# Altium PCB as14120_all_4.PcbDoc (part 3 of 3)
Units mm, origin at the board's own origin, x right, y up, seen from the top; angles counter-clockwise.
Board outline 130 x 100 mm, 6 copper layers (Top Layer, GND_top, Signal_Power, Signal_midle, GND_bot, Bottom Layer), stack 1.003 mm thick; 375 components, 345 nets, 2185 pads, 1021 vias.
Unrouted connection lines stored in the file: 609.
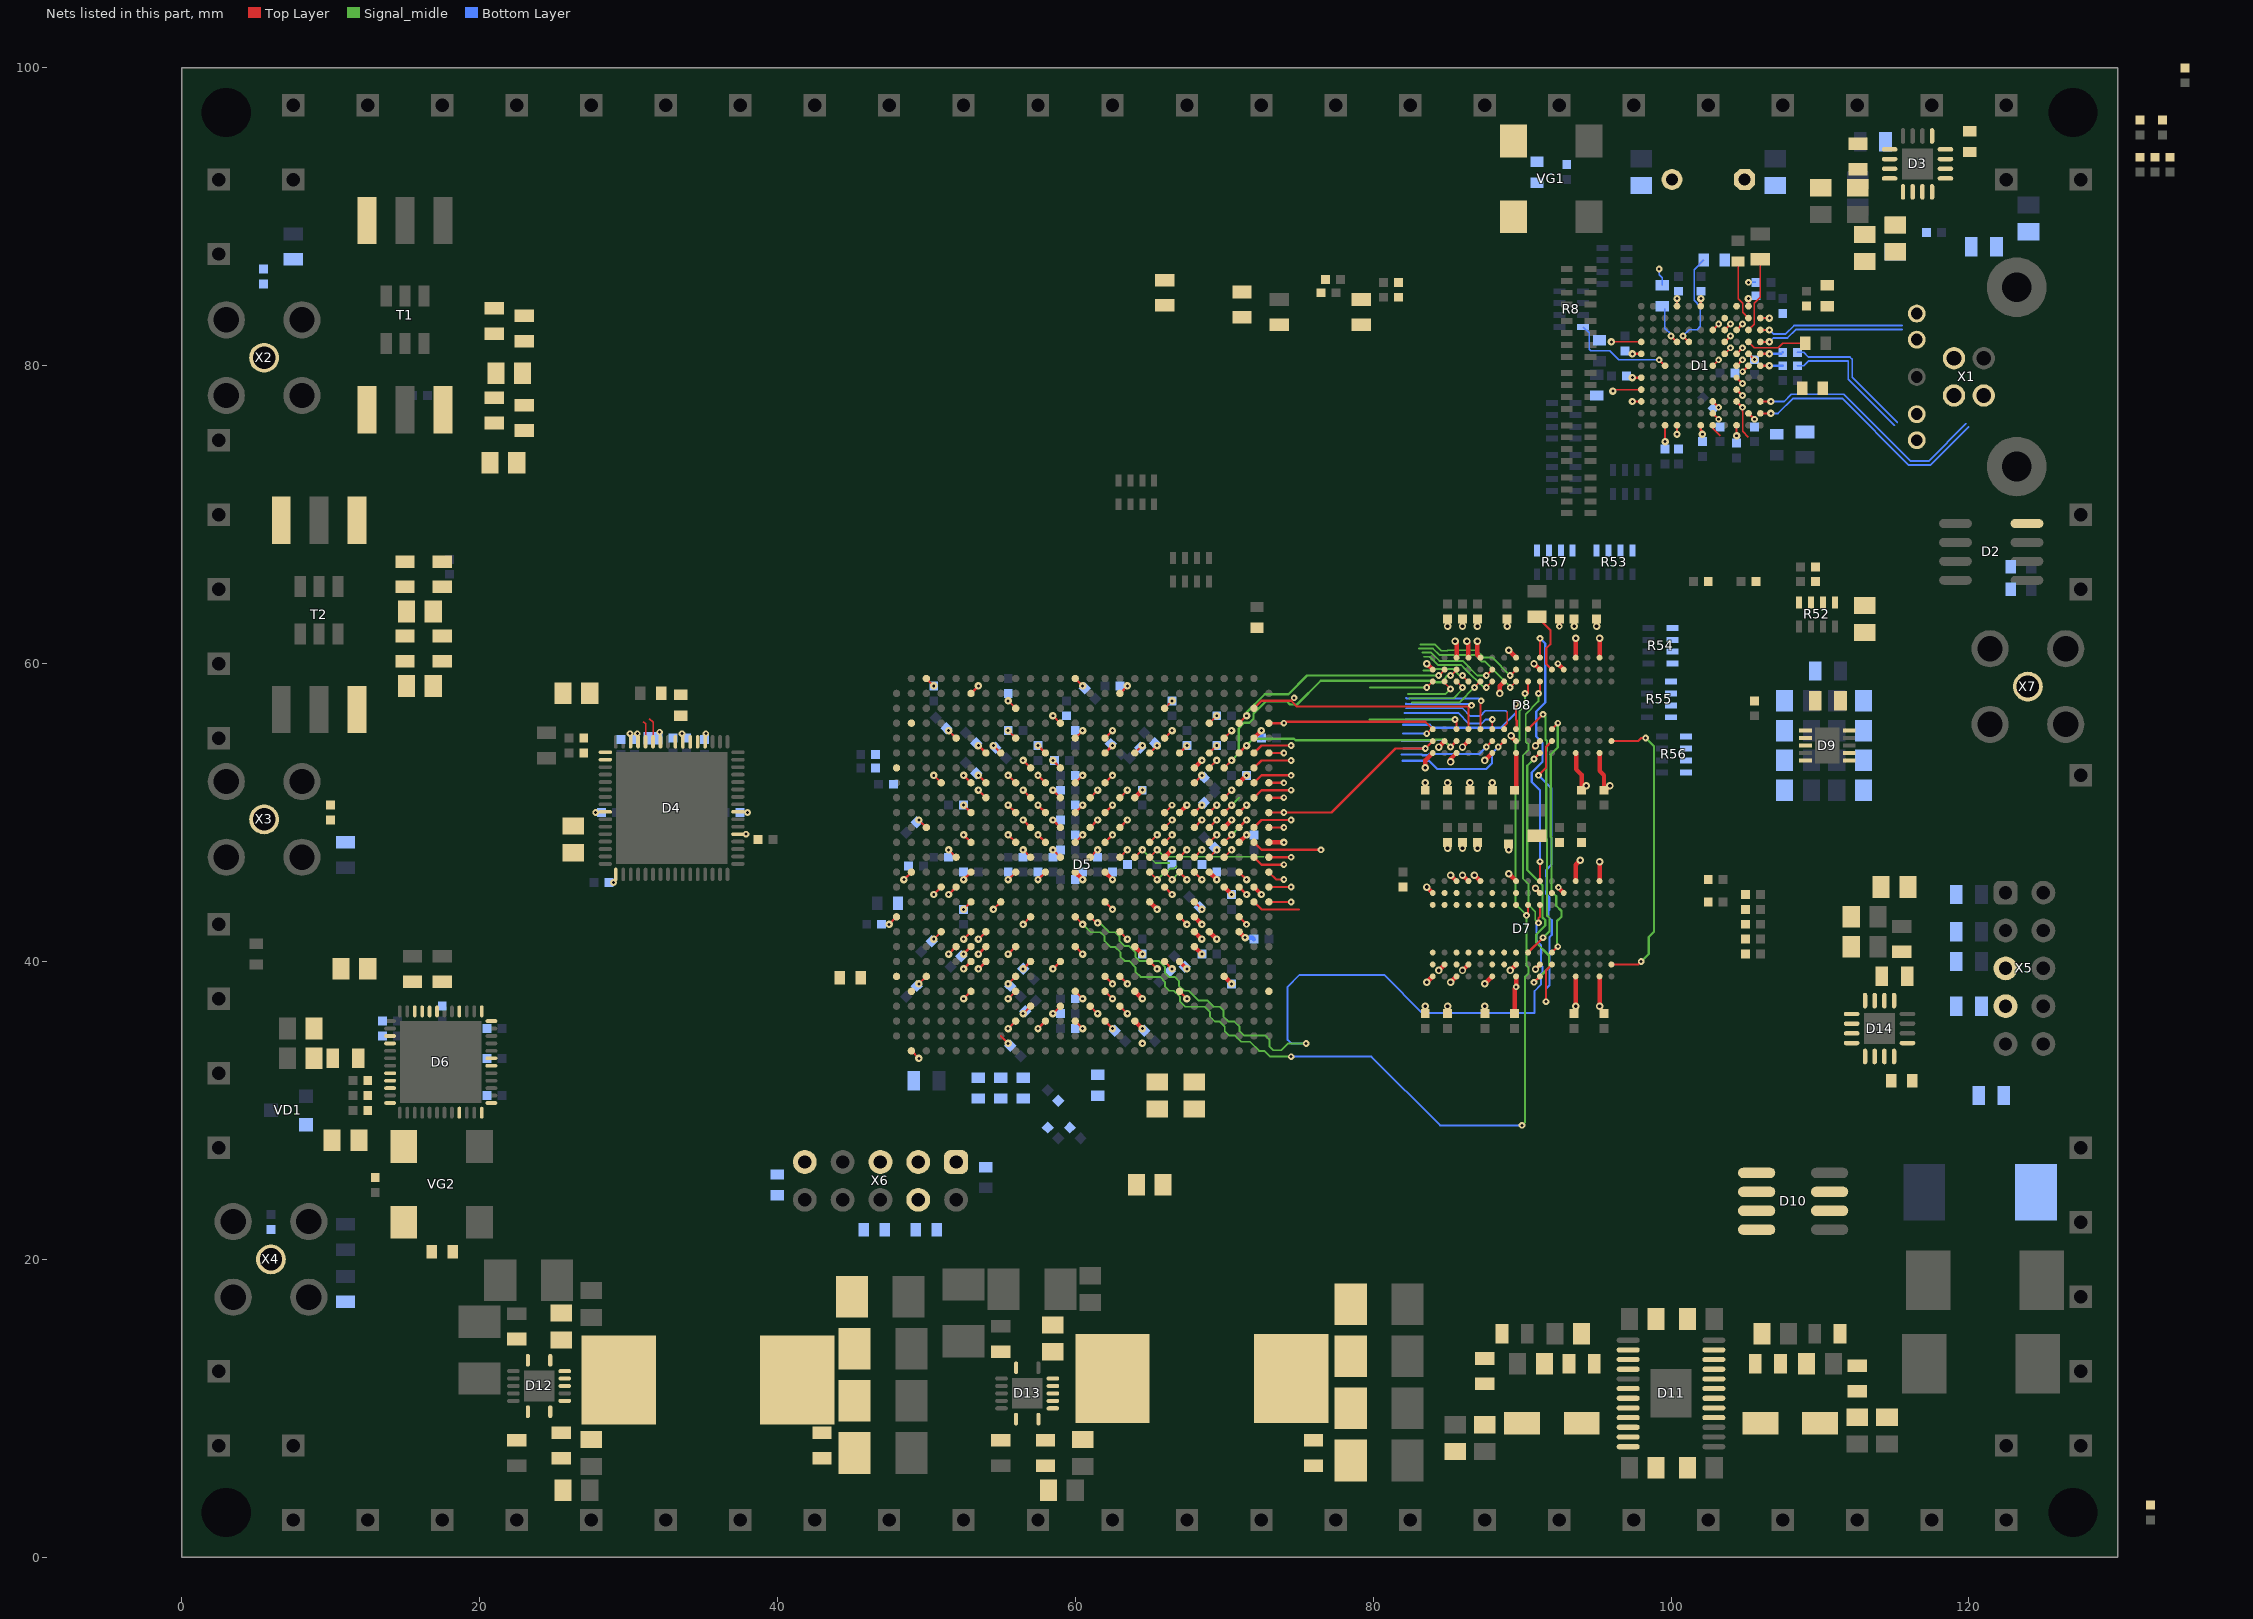
[diagram p6: the nets of this part, all layers, seen from the top]

## Via types
v1: diameter 0.5, hole 0.2, Top Layer to Bottom Layer, 691 vias
v2: diameter 0.45, hole 0.2, Top Layer to Bottom Layer, 266 vias
v3: diameter 0.5, hole 0.25, Top Layer to Bottom Layer, 64 vias

## Nets (pads, with @x,y where several pads share a name; then routed paths per layer and width w, separated by ;. In a path a pad name is that pad's centre, name@x,y a point inside that pad or via, vN(x,y) a via of type N, cw(c..) or ccw(c..) an arc to the next point about the centre after c; other vN are vias at no path point) (continued)
DDR_CK_N: D5.P10 D7.K7 D8.K7 R60.1 | length 67.9
  Top Layer w0.125: D5.P10@61,43 61.5,42.5 v1(61.5,42.6) ; v2(91.1,42.6) 91.1,42.9 91.2,43 D7.K7@91.2,43.8 ; v2(91.1,58) 91.2,58 D8.K7@91.2,58.8
  Signal_midle w0.125: v1(61.5,42.6) 61.655,42.6 62.293,41.963 62.692,41.963 62.963,41.692 62.963,41.383 63.308,41.038 63.617,41.038 64.038,40.617 64.038,40.308 64.308,40.038 65.617,40.038 66.038,39.617 66.038,39.218 66.301,38.955 66.308,38.963 66.692,38.963 66.963,38.692 66.963,38.383 67.308,38.038 67.617,38.038 68.267,37.388 68.868,37.388 69.301,36.955 69.308,36.963 69.692,36.963 69.962,36.692 69.962,36.308 69.955,36.301 70.293,35.963 70.692,35.963 71.037,35.617 71.037,35.308 71.308,35.038 72.762,35.038 73.037,34.763 73.037,34.308 73.308,34.038 73.838,34.038 74.3,34.5 v2(75.5,34.5) ; v2(91.1,42.6) 90.887,42.812 90.887,43.343 90.438,43.793 90.438,45.181 90.062,45.556 90.062,53.844 90.438,54.219 90.438,54.581 90.25,54.769 90.25,56.612 91.1,57.461 v2(91.1,58)
  Bottom Layer w0.125: v2(75.5,34.5) 74.5,34.5 74.262,34.738 74.262,38.305 75.057,39.1 80.746,39.1 83.308,36.537 90.837,36.537 90.837,38.019 91.262,38.444 91.262,39.186 91.362,39.286 91.362,39.669 91.262,39.769 91.262,41.119 90.962,41.419 90.962,42.463 v2(91.1,42.6)
DDR_CK_P: D5.N10 D7.J7 D8.J7 R98.2 | length 68.6
  Top Layer w0.125: D5.N10@60,43 v1(60.5,42.5) ; v2(90.2,58) 90.4,58 D8.J7@90.4,58.8 ; v2(90.3,43.1) 90.4,43.2 D7.J7@90.4,43.8
  Signal_midle w0.125: v1(60.5,42.5) 61.038,41.963 61.692,41.963 61.963,41.692 61.963,41.383 62.383,40.963 62.692,40.963 63.038,40.617 63.038,40.308 63.308,40.038 63.617,40.038 64.038,39.617 64.038,39.308 64.383,38.963 65.692,38.963 66.038,38.617 66.038,38.308 66.308,38.038 66.617,38.038 67.037,37.617 67.037,37.308 67.383,36.963 68.692,36.963 69.037,36.617 69.037,36.308 69.383,35.963 69.692,35.963 70.037,35.617 70.037,35.308 70.308,35.038 70.707,35.038 71.132,34.613 71.733,34.613 72.346,34 72.7,34 73.087,33.613 v2(74.5,33.613) ; v2(90,29) 90.2,29.2 90.2,38.981 90.437,39.219 90.437,39.581 90.3,39.719 v2(90.3,43.1) 89.562,43.837 89.562,54.581 89.825,54.844 89.825,56.788 90.2,57.163 v2(90.2,58)
  Bottom Layer w0.125: v2(74.5,33.613) 79.887,33.613 84.5,29 v2(90,29)
DDR_CKE: D5.AF14 D7.K9 D8.K9 R62.2 | length 20.2
  Top Layer w0.15: D5.AF14@73,47 v2(74.5,47) ; D7.K9@91.2,45.4 v2(91.2,46.7) ; D8.K9@91.2,60.4 v2(91.2,61.7)
  Bottom Layer w0.15: v2(91.2,46.7) 91.2,51.5 90.65,52.05 90.65,52.686 91.375,53.411 91.375,54.675 90.95,55.1 90.95,56.786 91.55,57.386 91.55,61.35 v2(91.2,61.7)
DDR_CS: D5.R11 D7.L2 D8.L2 | length 22.4
  Top Layer w0.15: D5.R11@62,44 v1(62.5,43.5) ; v2(91.1,52.5) 91.6,53 91.6,54.4 D8.L2@92,54.8 D8.L2@91.9,54.8 ; v2(91.6,37.3) 91.6,39.4 D7.L2@92,39.8 D7.L2@91.9,39.8
  Bottom Layer w0.15: v2(91.1,52.5) 91.975,51.625 91.975,46.5 91.65,46.175 91.619,46.144 91.619,45.708 91.65,45.676 91.65,44.749 91.619,44.718 91.619,44.531 91.818,44.332 91.818,43.455 91.75,43.386 91.75,43.014 91.997,42.766 91.997,41.79 91.85,41.643 91.85,38.425 91.6,38.175 v2(91.6,37.3)
DDR_DM0: D5.AF11 D7.E7 | length 1.5
  Top Layer w0.15: D5.AF11@73,44 v2(74.5,44)
DDR_DM1: D5.AE18 D7.D3 | length 2.7
  Top Layer w0.15: D5.AE18@72,51 72.5,51.5 v2(74.5,51.5)
DDR_DM2: D5.AE20 D8.E7 | length 7.9
  Top Layer w0.125: v2(86.8,58.4) D8.E7@87.2,58.8
  Top Layer w0.15: D5.AE20@72,53 72.5,53.5 v2(74.5,53.5)
  Signal_midle w0.125: 82.6,57.4 85.8,57.4 v2(86.8,58.4)
DDR_DM3: D5.AE24 D8.D3 | length 21.3
  Top Layer w0.15: D5.AE24@72,57 72.5,57.5 74.5,57.5 ; v2(74.7,57.7) 74.5,57.5 ; D8.D3@86.4,55.6 86.4,57 v2@86.525,57.125 ; v2(86.6,57.2) v2@86.525,57.125 ; 74.5,57.5 74.875,57.125 v2@86.525,57.125
  Bottom Layer w0.15: 82.2,57.3 82.213,57.288 86.512,57.287 v2(86.6,57.2)
DDR_DQ0: D5.AA14 D7.E3 | length 0.7
  Top Layer w0.15: D5.AA14@68,47 v1(68.5,47.5)
DDR_DQ1: D5.Y14 D7.F7 | length 0.7
  Top Layer w0.15: D5.Y14@67,47 v1(67.5,47.5)
DDR_DQ2: D5.AD11 D7.F2
DDR_DQ3: D5.AD12 D7.F8 | length 0.7
  Top Layer w0.15: D5.AD12@71,45 v1(71.5,44.5)
DDR_DQ4: D5.Y13 D7.H3 | length 0.7
  Top Layer w0.15: D5.Y13@67,46 v1(67.5,45.5)
DDR_DQ5: D5.W12 D7.H8 | length 0.7
  Top Layer w0.15: D5.W12@66,45 v1(66.5,44.5)
DDR_DQ6: D5.AD10 D7.G2 | length 0.7
  Top Layer w0.15: D5.AD10@71,43 v2(71.5,42.5)
DDR_DQ7: D5.AF12 D7.H7 | length 1.5
  Top Layer w0.15: D5.AF12@73,45 v2(74.5,45)
DDR_DQ8: D5.AC15 D7.D7 | length 1.4
  Top Layer w0.15: D5.AC15@70,48 v1(70.5,48.5)
  Signal_midle w0.15: v1(70.5,48.5) 70.975,48.975
DDR_DQ9: D5.AB15 D7.C3 | length 0.7
  Top Layer w0.15: D5.AB15@69,48 v1(69.5,48.5)
DDR_DQ10: D5.AC14 D7.C8 | length 0.7
  Top Layer w0.15: D5.AC14@70,47 v1(70.5,47.5)
DDR_DQ11: D5.AF13 D7.C2 | length 1.2
  Top Layer w0.15: D5.AF13@73,46 73.5,45.5 v2(74,45.5)
DDR_DQ12: D5.AB16 D7.A7 | length 0.7
  Top Layer w0.15: D5.AB16@69,49 v1(69.5,49.5)
DDR_DQ13: D5.AA16 D7.A2 | length 0.7
  Top Layer w0.15: D5.AA16@68,49 v1(68.5,49.5)
DDR_DQ14: D5.AE14 D7.B8 | length 2.2
  Top Layer w0.15: D5.AE14@72,47 72.5,46.5 v2(74,46.5)
DDR_DQ15: D5.AF18 D7.A3 | length 1
  Top Layer w0.15: D5.AF18@73,51 v2(74,51)
DDR_DQ16: D5.AD16 D8.E3 | length 7.8
  Top Layer w0.15: D5.AD16@71,49 v1(71.5,49.5) ; D8.E3@87.2,55.6 87.2,57.45 v2(87.25,57.5)
  Bottom Layer w0.15: 82.2,57.7 82.25,57.65 87.1,57.65 v2(87.25,57.5)
DDR_DQ17: D5.AD17 D8.F7 | length 6.3
  Top Layer w0.125: v2(87.6,58.4) D8.F7@88,58.8
  Top Layer w0.15: D5.AD17@71,50 v1(71.5,50.5)
  Signal_midle w0.125: 83.408,60.462 83.792,60.462 84.342,59.913 85.9,59.913 86.175,59.637 86.181,59.637 87.419,58.4 v2(87.6,58.4)
DDR_DQ18: D5.AC18 D8.F2 | length 7.2
  Top Layer w0.15: D5.AC18@70,51 v1(70.5,51.5) ; v2(87.6,54.4) D8.F2@88,54.8
  Bottom Layer w0.15: 81.9,53.9 83.264,53.9 83.314,53.85 83.686,53.85 83.761,53.925 87.125,53.925 v2(87.6,54.4)
DDR_DQ19: D5.AF19 D8.F8 | length 6.5
  Top Layer w0.125: v2(87.6,59.2) D8.F8@88,59.6
  Top Layer w0.15: D5.AF19@73,52 v2(74,52)
  Signal_midle w0.125: 83.295,60.738 83.906,60.738 84.455,60.187 86.02,60.187 87.008,59.2 v2(87.6,59.2)
DDR_DQ20: D5.AC17 D8.H3 | length 11.9
  Top Layer w0.15: D5.AC17@70,50 v1(70.5,50.5) ; D8.H3@89.6,55.6 89.65,55.65 89.65,56.186 89.6,56.236 v2(89.6,57.3)
  Signal_midle w0.15: v1(70.5,50.5) 71,51
  Bottom Layer w0.15: 82,55.9 83.8,55.9 84.012,55.687 88.574,55.687 89.6,56.714 v2(89.6,57.3)
DDR_DQ21: D5.AB17 D8.H8 | length 8.2
  Top Layer w0.125: v2(89.2,59.2) D8.H8@89.6,59.6
  Top Layer w0.15: D5.AB17@69,50 v1(69.5,50.5)
  Signal_midle w0.125: 83.176,61.288 84.133,61.288 84.558,60.862 84.981,60.862 85.019,60.9 86.934,60.9 87.422,60.412 87.988,60.412 v2(89.2,59.2)
DDR_DQ22: D5.AF21 D8.G2 | length 9.2
  Top Layer w0.15: D5.AF21@73,54 v2(74,54) ; v2(88.4,54.4) D8.G2@88.8,54.8
  Bottom Layer w0.15: 81.975,53.475 83.753,53.475 84.303,52.925 87.597,52.925 87.975,53.303 87.975,53.975 v2(88.4,54.4)
DDR_DQ23: D5.AE21 D8.H7 | length 10.5
  Top Layer w0.125: v2(89.2,58.4) D8.H7@89.6,58.8
  Top Layer w0.15: D5.AE21@72,54 72.5,54.5 v2(74.5,54.5)
  Signal_midle w0.125: 83.062,61.012 84.019,61.012 84.444,60.587 86.858,60.587 87.308,60.137 87.516,60.137 89.2,58.454 v2(89.2,58.4)
DDR_DQ24: D5.AE15 D8.D7 | length 8.5
  Top Layer w0.125: D8.D7@86.4,58.8 v2@86.03,59.17 ; v2@86.03,59.17 86.03,59.113 86,59.142 v2(86,59.2) v2@86.03,59.17
  Top Layer w0.15: D5.AE15@72,48 72.5,47.5 v2(76.5,47.5)
  Signal_midle w0.125: 83.363,59.538 84.119,59.538 84.219,59.637 85.381,59.637 85.819,59.2 v2(86,59.2) ; v2(86,59.2) 86,59.142 86.03,59.113 86.03,59.17 v2(86,59.2)
DDR_DQ25: D5.AE16 D8.C3 | length 12.5
  Top Layer w0.15: D5.AE16@72,49 72.5,49.5 v2(74.5,49.5) ; v2(85.5,56.25) 85.6,56.15 D8.C3@85.6,55.6
  Signal_midle w0.15: 79.75,56.25 v2(85.5,56.25)
  Bottom Layer w0.15: 82.15,56.25 v2(85.5,56.25)
DDR_DQ26: D5.AC20 D8.C8 | length 19.8
  Top Layer w0.125: v2(85.2,59.2) D8.C8@85.6,59.6
  Top Layer w0.15: D5.AC20@70,53 v1(70.5,53.5)
  Signal_midle w0.15: v1(70.5,53.5) 70.975,53.975 70.975,55.647 71.353,56.025 71.697,56.025 71.975,56.303 71.975,56.647 72.803,57.475 74.197,57.475 74.422,57.25 74.886,57.25 76.486,58.85 84.114,58.85 84.214,58.75 84.586,58.75 84.85,59.014 84.85,59.05 85,59.2 v2(85.2,59.2)
DDR_DQ27: D5.AD21 D8.C2 | length 19
  Top Layer w0.15: D5.AD21@71,54 v1(71.5,54.5) ; v2(85.2,54.4) D8.C2@85.6,54.8
  Signal_midle w0.15: v1(71.5,54.5) 71.95,54.95 74.686,54.95 74.786,54.85 84.178,54.85 84.228,54.9 84.7,54.9 v2(85.2,54.4)
  Bottom Layer w0.15: 81.9,54.8 83.736,54.8 83.811,54.875 84.725,54.875 v2(85.2,54.4)
DDR_DQ28: D5.AF16 D8.A7 | length 5.4
  Top Layer w0.125: v2(83.6,58.4) D8.A7@84,58.8
  Top Layer w0.15: D5.AF16@73,49 v2(74,49)
  Signal_midle w0.15: 79.8,58.4 v2(83.6,58.4)
DDR_DQ29: D5.AF17 D8.A2 | length 14.5
  Top Layer w0.15: D5.AF17@73,50 v2(74,50) 77.2,50 81.5,54.3 v2(83.5,54.3) D8.A2@84,54.8
  Bottom Layer w0.15: 82,54.3 v2(83.5,54.3)
DDR_DQ30: D5.AD23 D8.B8 | length 15.4
  Top Layer w0.125: v2(84.4,59.2) D8.B8@84.8,59.6
  Top Layer w0.15: D5.AD23@71,56 v1(71.5,56.5)
  Signal_midle w0.15: v1(71.5,56.5) 71.5,56.724 72.726,57.95 74.314,57.95 75.564,59.2 v2(84.4,59.2)
DDR_DQ31: D5.AF23 D8.A3 | length 13.4
  Top Layer w0.15: D5.AF23@73,56 v2(74,56) 74.1,56.1 83.5,56.1 D8.A3@84,55.6 83.9,55.6 v2(83.6,55.3)
  Bottom Layer w0.15: 82,55.3 v2(83.6,55.3)
DDR_DQS0_N: D5.W13 D7.G3 | length 1.4
  Top Layer w0.125: D5.W13@66,46 v1(66.5,45.5)
  Signal_midle w0.125: v1(66.5,45.5) 66.963,45.962
DDR_DQS0_P: D5.V13 D7.F3 | length 2.4
  Top Layer w0.125: D5.V13@65,46 v1(65.5,45.5)
  Signal_midle w0.125: v1(65.5,45.5) 65.933,45.933 66.067,45.933 66.384,46.251 66.649,46.251 66.799,46.4
DDR_DQS1_N: D5.V14 D7.B7 | length 8
  Top Layer w0.125: D5.V14@65,47 v1(65.5,47.5)
  Signal_midle w0.125: v1(65.5,47.5) 65.963,47.037 72.637,47.037
DDR_DQS1_P: D5.U14 D7.C7 | length 2.9
  Top Layer w0.125: D5.U14@64,47 v1(64.5,47.5)
  Signal_midle w0.125: v1(64.5,47.5) 65.388,46.612 66.3,46.612
DDR_DQS2_N: D5.W15 D8.G3 | length 9.1
  Top Layer w0.125: D5.W15@66,48 v1(66.5,48.5) ; D8.G3@88.8,55.6 88.8,55.8 89,56 89,56.75
  Bottom Layer w0.125: 82.2,57 86.001,57 86.52,56.481 87.181,56.481 87.538,56.837 88.913,56.837 89,56.75
DDR_DQS2_P: D5.V15 D8.F3 | length 7.7
  Top Layer w0.125: D5.V15@65,48 v1(65.5,48.5) ; D8.F3@88,55.6 v2(88,56.25)
  Bottom Layer w0.125: 82.113,56.688 85.712,56.688 86.425,55.975 87.276,55.975 87.551,56.25 v2(88,56.25)
DDR_DQS3_N: D5.W17 D8.B7 | length 4.4
  Top Layer w0.125: D5.W17@66,50 v2(66.5,50.5) ; D8.B7@84.8,58.8 84.8,58.7 v2(85.2,58.3)
  Signal_midle w0.125: 82.338,57.963 84.862,57.963 v2(85.2,58.3)
DDR_DQS3_P: D5.W16 D8.C7 | length 5.2
  Top Layer w0.125: D5.W16@66,49 v1(66.5,49.5) ; D8.C7@85.6,58.8 v2(86,58.4)
  Signal_midle w0.125: 82.424,57.662 82.473,57.662 82.486,57.675 85.406,57.675 86,58.269 v2(86,58.4)
DDR_ODT: D5.AD13 D7.K1 D8.K1 | length 18.5
  Top Layer w0.15: D5.AD13@71,46 v1(71.5,45.5) ; v2(90.8,38.6) D7.K1@91.2,39 ; v2(90.8,53.6) D8.K1@91.2,54
  Signal_midle w0.15: v2(90.8,38.6) 91.8,39.6 91.8,40.4 90.95,41.25 90.95,41.814 91.55,42.414 91.55,42.786 91.375,42.961 91.375,45.119 90.35,46.144 90.35,53.15 v2(90.8,53.6)
DDR_RAS: D5.Y10 D7.J3 D8.J3 | length 18.9
  Top Layer w0.15: D5.Y10@67,43 v1(67.5,42.5) ; D7.J3@90.4,40.6 v2(91.4,41.6) ; D8.J3@90.4,55.6 v2(91.4,56.6)
  Signal_midle w0.15: v2(91.4,41.6) 91.85,42.05 91.85,42.911 91.675,43.085 91.675,48.201 91.625,48.251 91.625,54.107 91.675,54.157 91.675,54.799 91.575,54.899 91.575,56.425 v2(91.4,56.6)
DDR_RESET_N: D5.AE19 D7.T2 D8.T2 R63.2 | length 22.8
  Top Layer w0.15: D5.AE19@72,52 72.5,52.5 v2(74.5,52.5) ; D7.T2@96,39.8 97.8,39.8 v2(98,40) ; D8.T2@96,54.8 97.8,54.8 98,55 v2(98.3,55)
  Signal_midle w0.15: v2(98,40) 98.5,40.5 98.5,41.65 98.85,42 98.85,54.45 v2(98.3,55)
DDR_WE: D5.T9 D7.L3 D8.L3 | length 17.5
  Top Layer w0.15: D5.T9@63,42 v1(63.5,41.5) ; D7.L3@92,40.6 v2(92.4,41) ; D8.L3@92,55.6 v2(92.4,56)
  Signal_midle w0.15: v2(92.4,41) 92.35,41.05 92.35,42.714 92.65,43.013 92.65,43.386 92.3,43.736 92.3,44.375 91.975,44.7 91.975,48.325 91.925,48.375 91.925,53.9 92.4,54.375 v2(92.4,56)
FPGA_CONF_DONE: D1.D3 D5.A6 R78.2 | length 0.6
  Top Layer w0.15: D1.D3@103.607,82.4 v2@104.007,82.8
  other v2: 104,82.8
FPGA_DATA0: D1.D5 D5.AF5 | length 0.6
  Top Layer w0.15: D1.D5@103.607,80.8 v2@104.007,81.2
  other v2: 104,81.2
FPGA_DCLK: D1.D4 D5.N8 R79.2 | length 1.3
  Top Layer w0.15: D5.N8@60,41 v1(60.5,40.5) ; D1.D4@103.607,81.6 v2@104.007,82
  other v2: 104,82
FPGA_NCONFIG: D1.C1 D5.F5 R77.2 | length 0.7
  Top Layer w0.15: v1(52.5,37.5) D5.F5@53,38
FPGA_NSTATUS: D1.D2 D5.B5
NetC1_1: C1.1 D1.E11 R1.1 | length 0.9
  Top Layer w0.1: D1.E11@102.8,76 102.8,75.8 103.3,75.3
NetC2_2: C2.2 D1.A5 | length 1.5
  Top Layer w0.15: D1.A5@106,80.8 v1(106.6,80.8)
  Bottom Layer w0.15: v1(106.6,80.8) 107.4,80.8 C2.2@107.5,80.9
NetC3_2: C3.2 D1.A6 | length 1.5
  Top Layer w0.15: D1.A6@106,80 v1(106.6,80)
  Bottom Layer w0.15: v1(106.6,80) C3.2@107.5,80
NetC4_2: C4.2 D1.C7 ZQ1.1 | length 0.6
  Top Layer w0.15: D1.C7@104.4,79.2 v2@104.8,78.8
  other v2: 104.8,78.807
NetC5_2: C5.2 D1.C6 ZQ1.2 | length 0.6
  Top Layer w0.15: D1.C6@104.407,80 v2@104.807,80.4
  other v2: 104.8,80.4
NetC8_2: C8.2 D1.C5 R27.1 | length 0.6
  Top Layer w0.15: D1.C5@104.407,80.8 v2@104.807,81.2
  other v2: 104.8,81.2
NetC37_1: C37.1 X2.1
NetC37_2: C37.2 R33.2 T1.4
NetC38_1: C38.1 R35.1 R36.2
NetC38_2: C38.2 R31.1 R32.2
NetC39_1: C39.1 D4.38 R36.1
NetC39_2: C39.2 D4.37 R32.1
NetC43_2: C43.2 D4.49
NetC44_2: C44.2 D4.50
NetC45_1: C45.1 X3.1
NetC45_2: C45.2 R42.2 T2.4
NetC46_1: C46.1 R44.1 R45.2
NetC46_2: C46.2 R40.1 R41.2
NetC47_1: C47.1 D4.43 R45.1 | length 1.7
  Top Layer w0.1: 31.4,56.3 31.65,56.05 D4.43@31.65,54.75
NetC47_2: C47.2 D4.44 R41.1 | length 1.4
  Top Layer w0.1: 31,56.1 31.15,55.95 D4.44@31.15,54.75
NetC56_2: C56.2 C57.2 C58.2 C59.2 C60.2 D6.10 D6.21 D6.24 D6.25 D6.30 D6.31 D6.36 D6.37 D6.40 D6.43 D6.45 L6.1 L7.2
NetC61_2: C61.2 C62.2 D6.3 L7.1
NetC63_2: C63.2 D6.12
NetC64_2: C64.2 D6.9
NetC65_2: C65.2 R49.2
NetC66_2: C66.2 D6.4 D6.8 R49.1
NetC67_1: C67.1 X4.1
NetC72_1: C72.1 C73.1 C90.1 C107.1 C108.1 C110.2 C111.2 L9.1 R52.1 R52.2 R52.3 R52.4 R53.1 R53.2 R53.3 R53.4 R54.1 R54.2 R54.3 R54.4 R55.1 R55.2 R55.3 R55.4 R56.1 R56.2 R56.3 R56.4 R57.1 R57.2 R57.3 R57.4
NetC116_2: C116.2 D9.6
NetC117_2: C117.2 D9.1 R61.1 R64.2
NetC127_2: C127.2 C128.2 C129.2 C130.2 C131.2 D5.G21 D5.J6 D5.L3 D5.R3 D5.T4 D5.W7 D5.Y21 L10.1 | length 4.9
  Top Layer w0.15: v1(53.5,54.5) D5.G21@54,54 ; v1(55.5,38.5) D5.J6@56,39 ; v1(57.5,35.5) D5.L3@58,36 ; D5.R3@62,36 v1(62.5,35.5) ; D5.T4@63,37 v1(63.5,36.5) ; D5.W7@66,40 v1(66.5,39.5) ; D5.Y21@67,54 v1(67.5,54.5)
NetC205_1: C205.1 D12.13
NetC205_2: C205.2 D12.11 D12.12 L15.1
NetC211_2: C211.2 R84.1
NetC212_2: C212.2 D11.22 R84.2
NetC215_2: C215.2 D12.9
NetC218_2: C218.2 R89.1
NetC219_2: C219.2 D11.3 R89.2
NetC220_2: C220.2 R87.2
NetC224_1: C224.1 D13.13
NetC224_2: C224.2 D13.11 D13.12 L17.1
NetC231_2: C231.2 D13.9
NetC232_2: C232.2 R96.2
NetC233_2: C233.2 R60.2 R98.1
NetD1_B2: D1.B2 R2.2 | length 4.1
  Top Layer w0.1: R2.2@104.5,87 104.5,84.5 104.8,84.2 104.8,83.6 D1.B2@105.2,83.2
NetD1_B3: D1.B3 R14.1 | length 5.1
  Top Layer w0.1: D1.B3@105.2,82.4 105.6,82.8 105.6,84.2 106,84.6 R14.1@106,87.15
NetD1_B4: D1.B4 R5.2 | length 4.1
  Top Layer w0.1: D1.B4@105.2,81.6 105.6,81.2 107.2,81.2 107.5,81.5 R5.2@109,81.5
NetD1_C8: D1.C8 R12.1 | length 0.6
  Top Layer w0.15: D1.C8@104.4,78.4 v2@104.8,78
  other v2: 104.8,78.007
NetD1_C9: D1.C9 R4.1 | length 2.7
  Top Layer w0.1: 104.8,76.966 104.8,75.6 105.2,75.2
  Top Layer w0.15: D1.C9@104.4,77.6 v2@104.8,77.2 ; 104.8,76.966 v2@104.8,77.2 ; v2(104.8,77.207) v2@104.8,77.2
NetD1_E6: D1.E6 R7.2 | length 0.6
  Top Layer w0.15: D1.E6@102.807,80 v2@103.207,80.4
  other v2: 103.2,80.4
NetD1_G4: D1.G4 R23.1 | length 6.9
  Top Layer w0.15: v2@100.793,82 D1.G4@101.193,81.6
  Bottom Layer w0.1: v2(100.8,82) 101.225,82.425 101.755,82.425 101.975,82.645 101.975,83.959 101.55,84.384 101.55,86.45 R23.1@102.2,87.1
NetD1_H4: D1.H4 R24.1 | length 2.6
  Top Layer w0.15: v2@99.993,82 D1.H4@100.393,81.6
  Bottom Layer w0.1: R24.1@99.575,83.825 99.575,82.525 100,82.1 v2(100,82)
NetD1_L4: D1.L4 R25.1 | length 2
  Top Layer w0.1: v1(96,81.6) 96.7,81.6 D1.L4@98,81.6
NetD1_L8: D1.L8 R26.1 | length 1.9
  Top Layer w0.1: v1(96.1,78.3) 96.2,78.4 D1.L8@98,78.4
NetD3_5: D3.5 R30.1
NetD3_9: D3.9 R28.1 R29.2
NetD4_40: D4.40 R34.2 R37.1
NetD4_42: D4.42 R39.1 | length 0.7
  Top Layer w0.1: v2(32.1,55.4) 32.15,55.35 D4.42@32.15,54.75
NetD5_AC22: D5.AC22 R99.1 | length 0.7
  Top Layer w0.15: D5.AC22@70,55 v1(70.5,55.5)
NetD5_AE11: D5.AE11 | length 3.2
  Top Layer w0.15: D5.AE11@72,44 72.5,43.5 75.024,43.5
NetD5_B1: D5.B1 R70.1 | length 0.7
  Top Layer w0.15: D5.B1@49,34 v1(49.5,33.5)
NetD5_D12: D5.D12 R100.2 | length 0.7
  Top Layer w0.15: v1(50.5,44.5) D5.D12@51,45
NetD5_J5: D5.J5 R76.1 | length 0.7
  Top Layer w0.15: v1(55.5,37.5) D5.J5@56,38
NetD5_M7: D5.M7 R75.1 | length 0.7
  Top Layer w0.15: v1(58.5,39.5) D5.M7@59,40
NetD6_44: D6.44 R47.1
NetD6_46: D6.46 R48.1
NetD7_L8: D7.L8 R58.1
NetD8_L8: D8.L8 R59.1 | length 4.2
  Top Layer w0.15: R59.1@91,63.15 91.9,62.25 91.9,61.3 91.625,61.025 91.625,59.975 D8.L8@92,59.6
NetD10_6: D10.6 R67.1 R68.1 R69.2
NetD10_7: D10.7 R65.1 R66.1 R67.2
NetD11_2: D11.2 R88.1 R90.2
NetD11_8: D11.8 D11.9 L16.1
NetD11_16: D11.16 D11.17 L14.1
NetD11_23: D11.23 R81.1 R83.1
NetD12_1: D12.1 R86.1
NetD12_7: D12.7 R82.1 R85.2
NetD12_8: D12.8 R87.1
NetD13_1: D13.1 R94.1
NetD13_7: D13.7 R91.1 R93.2
NetD13_8: D13.8 R96.1
NetD14_5: D14.5 R97.1
NetD14_9: D14.9 R92.1 R95.2
NetR1_2: R1.2 X1.1
NetR11_2: R11.2 VG1.1
NetR31_2: R31.2 T1.3
NetR35_2: R35.2 T1.1
NetR40_2: R40.2 T2.3
NetR44_2: R44.2 T2.1
NetR46_2: R46.2 VG2.1
NetVD2_2: VD2.2 X7.1
PCLK: D1.J6 R8.8 | length 7.2
  Top Layer w0.15: v2@99.193,80.4 D1.J6@99.593,80
  Bottom Layer w0.1: R8.8@94.1,82.6 94.5,82.2 94.5,81.1 94.6,81 95.9,81 96.5,80.4 v2(99.2,80.4)
PG1P1: D12.14 D13.10
SS_RX_N: D1.A3 X1.8 | length 9.8
  Top Layer w0.15: D1.A3@106,82.4 v1(106.6,82.4)
  Bottom Layer w0.122: v1(106.6,82.4) 106.864,82.136 107.7,82.136 108.264,82.7 115.5,82.7
SS_RX_P: D1.A4 X1.9 | length 9.8
  Top Layer w0.15: D1.A4@106,81.6 v1(106.6,81.6)
  Bottom Layer w0.122: v1(106.6,81.6) 106.864,81.864 107.813,81.864 108.377,82.428 115.5,82.428
SS_TX_N: C3.1 X1.5 | length 9.1
  Bottom Layer w0.122: C3.1@108.5,80 108.9,80 109.214,80.314 111.9,80.314 111.9,79.1 115,76
SS_TX_P: C2.1 X1.6 | length 9.4
  Bottom Layer w0.122: C2.1@108.5,80.9 108.9,80.9 109.214,80.586 112.013,80.586 112.172,80.427 112.172,79.213 115.192,76.192
TCK: D5.Y5 R73.2 R80.2 X6.1 | length 0.7
  Top Layer w0.15: D5.Y5@67,38 v1(67.5,37.5)
TDI: D5.T6 R74.1 X6.9 | length 0.7
  Top Layer w0.15: D5.T6@63,39 v1(63.5,38.5)
TDO: D5.V7 X6.3 | length 0.7
  Top Layer w0.15: D5.V7@65,40 v1(65.5,39.5)
TMS: D5.R6 R72.2 X6.5 | length 0.7
  Top Layer w0.15: D5.R6@62,39 v1(62.5,38.5)
TTL_CLK: D5.J8 | length 0.7
  Top Layer w0.15: v1(55.5,40.5) D5.J8@56,41
TTL_RX: D10.1
TTL_SDIN: D5.G7 | length 0.7
  Top Layer w0.15: v1(53.5,39.5) D5.G7@54,40
TTL_SDOUT: D5.F7 | length 0.7
  Top Layer w0.15: v1(52.5,39.5) D5.F7@53,40
TTL_SS: D5.K10 | length 0.7
  Top Layer w0.15: v1(56.5,42.5) D5.K10@57,43
TTL_TX: D10.4
TTL_TX_EN: D10.2 D10.3
U3RXVDDQ: C7.2 C9.2 D1.A2 L1.2 | length 0.6
  Top Layer w0.15: D1.A2@106,83.2 v1(106.6,83.2)
U3TXVDDQ: C10.2 C11.2 D1.B5 L2.2 | length 0.6
  Top Layer w0.15: D1.B5@105.2,80.8 v2@105.6,80.4
  other v2: 105.6,80.407
USB_N: D1.A10 X1.2 | length 17.3
  Top Layer w0.15: D1.A10@106,76.8 v1(106.7,76.8)
  Bottom Layer w0.122: v1(106.7,76.8) 107.185,76.8 108.192,77.808 111.492,77.808 115.972,73.328 117.413,73.328 119.992,75.908
USB_P: D1.A9 X1.3 | length 16.9
  Top Layer w0.15: D1.A9@106,77.6 v1(106.7,77.6)
  Bottom Layer w0.122: v1(106.7,77.6) 107.6,77.6 108.08,78.08 111.605,78.08 116.085,73.6 117.3,73.6 119.8,76.1
V0P75D: C112.2 C113.2 C114.2 D9.3 D9.5 L8.1 L9.2
V1P1D: C120.2 C121.2 C122.2 C123.2 C124.2 C125.2 C126.2 C132.2 C133.2 C134.2 C135.2 C136.2 C137.2 C138.2 C144.2 C145.2 C146.2 C147.2 C148.2 C149.2 C150.2 C207.1 C208.1 C209.1 C210.1 C234.2 D5.J3 D5.J13 D5.J15 D5.J17 D5.J19 D5.K4 D5.K14 D5.K16 D5.K18 D5.K20 D5.L13 D5.L15 D5.L17 D5.L19 D5.M4 D5.M14 D5.M16 D5.M18 D5.M20 D5.N3 D5.N5 D5.N13 D5.N15 D5.N17 D5.N19 D5.P4 D5.P14 D5.P16 D5.P18 D5.R5 D5.R13 D5.R15 D5.R17 D5.R19 D5.T14 D5.T16 D5.T18 D5.U3 D5.U5 L15.2 R82.2 | length 28.3
  Top Layer w0.15: 55,35 v1(55.5,34.5) ; v1(55.5,35.5) D5.J3@56,36 ; v1(55.5,45.5) D5.J13@56,46 ; v1(55.5,48.5) D5.J15@56,48 ; v1(55.5,50.5) D5.J17@56,50 ; v1(55.5,52.5) D5.J19@56,52 ; v1(56.5,36.5) D5.K4@57,37 ; v1(56.5,47.5) D5.K14@57,47 ; v1(56.5,49.5) D5.K16@57,49 ; v1(56.5,51.5) D5.K18@57,51 ; v1(56.5,53.5) D5.K20@57,53 ; v1(57.5,45.5) D5.L13@58,46 ; v1(57.5,48.5) D5.L15@58,48 ; v1(57.5,50.5) D5.L17@58,50 ; v1(57.5,52.5) D5.L19@58,52 ; v1(58.5,36.5) D5.M4@59,37 ; v1(58.5,47.5) D5.M14@59,47 ; v1(58.5,49.5) D5.M16@59,49 ; v1(58.5,51.5) D5.M18@59,51 ; v1(58.5,53.5) D5.M20@59,53 ; D5.N3@60,36 v1(60.5,35.5) ; D5.N5@60,38 v1(60.5,37.5) ; D5.N15@60,48 v1(60.5,48.5) ; D5.N17@60,50 v1(60.5,50.5) ; D5.N19@60,52 v1(60.5,52.5) ; D5.P4@61,37 v1(61.5,36.5) ; D5.P14@61,47 v1(61.5,47.5) ; D5.P16@61,49 v1(61.5,49.5) ; D5.P18@61,51 v1(61.5,51.5) ; D5.R5@62,38 v1(62.5,37.5) ; D5.R15@62,48 v1(62.5,48.5) ; D5.R17@62,50 v1(62.5,50.5) ; D5.R19@62,52 v1(62.5,52.5) ; D5.T14@63,47 v1(63.5,47.5) ; D5.T16@63,49 v1(63.5,49.5) ; D5.T18@63,51 v1(63.5,51.5)
  Top Layer w0.3: D5.N13@60,46 v1(60.5,45.5) ; D5.R13@62,46 v1(62.5,45.5) ; D5.U3@64,36 v1(64.5,35.5) ; D5.U5@64,38 v1(64.5,37.5)
  other v1: 64.5,34.5
V1P2D: C6.2 C13.2 C14.2 C15.2 C16.2 C17.2 C18.2 C19.2 C20.2 C21.2 C22.2 D1.B10 D1.C3 D1.E9 D1.F11 D1.H1 D1.J11 D1.L5 D1.L7 D3.10 D3.11 D3.12 D3.13 D3.14 L1.1 L2.1 L3.1 R28.2 | length 5.1
  Top Layer w0.15: v1(97.4,79.2) D1.L7@98,79.2 ; v1(97.4,80.8) D1.L5@98,80.8 ; v1(99.6,74.9) D1.J11@99.6,76 ; D1.H1@100.4,84 v1(100.4,84.5) ; D1.F11@102,76 102,75.7 102.1,75.6 v1(102.1,75.4) ; D1.E9@102.8,77.6 v2@103.2,77.2 ; D1.C3@104.407,82.4 v2@104.807,82.8 ; D1.B10@105.2,76.8 v2@105.6,76.4
  other v2: 105.6,76.407 103.2,77.207 104.8,82.8
V1P5D: C74.2 C75.2 C76.2 C77.2 C78.2 C79.2 C80.2 C81.2 C82.2 C83.2 C84.2 C85.2 C86.2 C87.2 C88.2 C89.2 C91.2 C93.2 C94.2 C95.2 C96.2 C97.2 C98.2 C99.2 C100.2 C101.2 C102.2 C103.2 C104.2 C105.2 C106.2 C115.2 C118.2 C119.2 C169.2 C170.2 C171.2 C172.2 C173.2 C174.2 C175.2 C225.2 C226.2 D5.AA10 D5.AA20 D5.AB13 D5.AC16 D5.AD9 D5.AD19 D5.AE12 D5.AE22 D5.AF15 D5.E8 D5.U8 D5.U18 D5.V11 D5.W14 D5.Y17 D7.A1 D7.A8 D7.B2 D7.C1 D7.C9 D7.D2 D7.D9 D7.E9 D7.F1 D7.G7 D7.H2 D7.H9 D7.K2 D7.K8 D7.N1 D7.N9 D7.R1 D7.R9 D8.A1 D8.A8 D8.B2 D8.C1 D8.C9 D8.D2 D8.D9 D8.E9 D8.F1 D8.G7 D8.H2 D8.H9 D8.K2 D8.K8 D8.N1 D8.N9 D8.R1 D8.R9 D9.2 D9.7 D9.10 D14.10 D14.11 D14.12 D14.13 D14.14 R61.2 R63.1 R92.2 | length 52.5
  Top Layer w0.15: v1(51.5,40.5) D5.E8@52,41
  Top Layer w0.3: D5.U8@64,41 v1(64.5,40.5) ; D5.U18@64,51 v1(64.5,51.5) ; D5.V11@65,44 v1(65.5,43.5) ; D5.W14@66,47 v1(66.5,47.5) ; D5.Y17@67,50 v1(67.5,50.5) ; D5.AA10@68,43 v1(68.5,42.5) ; D5.AA20@68,53 v1(68.5,53.5) ; D5.AB13@69,46 v1(69.5,45.5) ; D5.AC16@70,49 v1(70.5,49.5) ; D5.AD9@71,42 v1@71.4,41.6 ; D5.AD19@71,52 v1(71.5,52.5) ; D5.AE12@72,45 v1(72.5,44.5) ; D5.AE22@72,55 v1(72.5,55.5) ; D5.AF15@73,48 v1(74,48) ; C103.2@83.5,51.5 v3(83.5,52) ; v3(83.5,53) 83.5,53.5 D8.A1@84,54 ; v3(83.6,38.6) D7.A1@84,39 ; v3(83.6,45) D7.A8@84,44.6 ; v3(83.6,60) D8.A8@84,59.6 ; v3(84.4,39.4) D7.B2@84.8,39.8 ; v3(84.4,54.4) D8.B2@84.8,54.8 ; C94.2@85,36.5 v3(85,37) ; v3@85,47.6 C82.2@85,48 ; C104.2@85,51.5 v3(85,52) ; v3(85.2,38.6) D7.C1@85.6,39 ; v3(85.2,45.8) D7.C9@85.6,45.4 ; v3(85.2,53.4) 85.2,53.6 D8.C1@85.6,54 ; D8.C9@85.6,60.4 v3@85.6,61.4 ; v3(86,39.4) D7.D2@86.4,39.8 ; v3(86,45.8) D7.D9@86.4,45.4 ; v3(86,47.6) C83.2@86,48 ; v3(86,54.4) D8.D2@86.4,54.8 ; v3(86,62.5) C79.2@86,63 ; D8.D9@86.4,60.4 v3@86.4,61.4 ; C101.2@86.5,51.5 v3(86.5,52) ; v3(86.8,45.8) D7.E9@87.2,45.4 ; v3(87,47.6) C84.2@87,48 ; v3(87,61.5) 87,60.6 D8.E9@87.2,60.4 ; v3(87,62.5) C106.2@87,63 ; C95.2@87.5,36.5 v3(87.5,37) ; v3(87.5,38.5) D7.F1@87.9,38.9 ; v3(87.5,53.5) D8.F1@87.9,53.9 ; C99.2@88,51.5 v3(88,52) ; v3(88.5,58) 88.5,58.5 D8.G7@88.8,58.8 ; v3(89,62.5) C75.2@89,63 ; v3(89.1,45.9) D7.H9@89.6,45.4 ; v3(89.1,47.5) C85.2@89.1,47.9 ; v3(89.1,60.9) D8.H9@89.6,60.4 ; v3(89.2,39.4) D7.H2@89.6,39.8 ; v3(89.261,55.161) 89.261,55.121 89.582,54.8 D8.H2@89.6,54.8 ; v3@90.8,45 v3@90.878,44.922 ; v3@90.8,54.4 D8.K2@91.2,54.8 ; v3(90.8,60) D8.K8@91.2,59.6 ; v3@90.878,54.478 v3(90.9,54.478) ; v3(90.9,39.478) 90.878,39.478 D7.K2@91.2,39.8 ; v3(90.9,44.922) v3@90.878,44.922 ; D7.K8@91.2,44.6 v3@90.878,44.922 ; v3(93.5,62.5) C74.2@93.5,63 ; v3(93.6,37) D7.N1@93.6,39 ; D7.N9@93.6,45.4 93.6,46.5 v3(93.9,46.8) ; D8.N1@93.6,54 93.625,53.975 93.625,52.9 94,52.525 94,51.8 ; D8.N9@93.6,60.4 v3(93.6,61.7) ; C100.2@94,51.5 v3(94.3,51.8) ; v3(95,62.5) C105.2@95,63 ; v3(95.2,37) D7.R1@95.2,39 ; D7.R9@95.2,45.4 v3(95.2,46.7) ; D8.R1@95.2,54 95.2,52.8 95.5,52.5 C102.2@95.5,51.5 95.6,51.5 v3(95.9,51.8) ; D8.R9@95.2,60.4 v3(95.2,61.7)
  Bottom Layer w0.3: v1(71.4,41.6) 71.9,41.6 C172.2@72,41.5 ; C170.2@72.5,55 v1(72.5,55.5)
  other v3: 83.5,37 85,47.6 85.5,61.5 86.3,61.5 85,62.5
V1P8A: C52.2 C53.2 C54.2 D4.36 D4.45 D4.46 L4.1 | length 1.7
  Top Layer w0.1: v2(30.1,55.3) 30.15,55.25 D4.46@30.15,54.75 ; v2(30.6,55.3) 30.65,55.25 D4.45@30.65,54.75 ; D4.36@35.15,54.75 35.15,55.25 v2(35.2,55.3)
V1P8D: C24.2 C25.2 C26.2 C27.2 C28.2 C29.2 C30.2 C50.2 C51.2 C176.2 C177.2 C185.2 C186.2 C187.2 C188.2 C193.2 C194.2 C195.2 C196.2 C203.2 C204.2 D1.B1 D1.E3 D1.F1 D1.H11 D1.L9 D3.1 D3.2 D3.3 D3.4 D3.15 D3.16 D4.1 D4.21 D5.AB23 D5.C26 D5.E22 D5.F25 D5.H21 D5.J24 D5.M23 D5.N26 D5.R22 D5.T25 D5.V21 D5.W24 D14.1 D14.2 D14.3 D14.4 D14.15 D14.16 L4.2 L5.2 L13.2 L14.2 R23.2 R24.2 R27.2 R30.2 R81.2 R97.2 | length 14.1
  Top Layer w0.1: v2(29,45.3) 29.15,45.45 D4.1@29.15,45.85 ; D4.21@37.35,48.55 v2(37.9,48.55)
  Top Layer w0.15: D5.C26@50,59 v1(50.5,58.5) ; v1(51.5,55.5) D5.E22@52,55 ; D5.F25@53,58 v1(53.5,58.5) ; v1(54.5,54.5) D5.H21@55,54 ; v1(55.5,57.5) D5.J24@56,57 ; v1(58.5,56.5) D5.M23@59,56 ; D5.N26@60,59 v1(60.5,58.5) ; D5.R22@62,55 v1(62.5,55.5) ; D5.T25@63,58 v1(63.5,58.5) ; D5.V21@65,54 v1(65.5,54.5) ; D5.W24@66,57 v1(66.5,57.5) ; D5.AB23@69,56 v1(69.5,56.5) ; v1(97.4,77.6) D1.L9@98,77.6 ; v1(100.4,75.4) D1.H11@100.4,76 ; D1.F1@102,84 v1(102,84.5) ; D1.E3@102.807,82.4 v2@103.207,82.8 ; D1.B1@105.2,84 v1(105.2,84.5)
  Bottom Layer w0.1: v2(99.2,86.5) 99.2,86.1 99.4,85.9 R24.2@99.4,85.4 ; v2(105.2,85.6) C24.2@105.7,85.6
  other v2: 103.2,82.8
V1P8DVDD: C48.2 C49.2 D4.24 D4.57 L5.1 | length 1.3
  Top Layer w0.1: v2(27.8,50) 27.85,50.05 D4.57@28.45,50.05 ; D4.24@37.35,50.05 37.95,50.05 v2(38,50)
V2P5D: C153.2 C154.2 C155.2 C156.2 C157.2 C158.2 C159.2 C160.2 C161.2 C162.2 C163.2 C164.2 C178.2 C179.2 C180.2 C181.2 C182.2 C183.2 C184.2 C216.2 C217.2 D5.A10 D5.A20 D5.AA11 D5.AA13 D5.AA17 D5.AA19 D5.AB9 D5.AB21 D5.B13 D5.B23 D5.C16 D5.D19 D5.E12 D5.F9 D5.F11 D5.F13 D5.F15 D5.F17 D5.F19 D5.G18 D5.H11 D5.J22 D5.L21 D5.N22 D5.R21 D5.U21 L10.2 L12.2 L16.2 R88.2 | length 17
  Top Layer w0.15: v1(47.5,42.5) D5.A10@48,43 ; v1(48.5,45.5) D5.B13@49,46 ; v1(49.5,49.5) D5.C16@50,49 ; v1(50.5,52.5) D5.D19@51,52 ; v1(51.5,44.5) D5.E12@52,45 ; v1(52.5,41.5) D5.F9@53,42 ; v1(52.5,43.5) D5.F11@53,44 ; v1(52.5,45.5) D5.F13@53,46 ; v1(52.5,48.5) D5.F15@53,48 ; v1(52.5,50.5) D5.F17@53,50 ; v1(52.5,52.5) D5.F19@53,52 ; v1(53.5,51.5) D5.G18@54,51 ; v1(54.5,43.5) D5.H11@55,44 ; v1(55.5,55.5) D5.J22@56,55 ; v1(57.5,54.5) D5.L21@58,54 ; D5.N22@60,55 v1(60.5,55.5) ; D5.R21@62,54 v1(62.5,54.5) ; D5.U21@64,54 v1(64.5,54.5) ; D5.AA11@68,44 v1(68.5,43.5) ; D5.AA13@68,46 v1(68.5,45.5) ; D5.AA17@68,50 v1(68.5,50.5) ; D5.AA19@68,52 v1(68.5,52.5) ; D5.AB21@69,54 v1(69.5,54.5)
  Top Layer w0.3: D5.AB9@69,42 v1(69.5,41.5)
V3P3D: C31.2 C32.2 C33.2 C34.2 C35.2 C36.2 C189.2 C190.2 C191.2 C192.2 C201.2 C202.2 C213.2 C214.2 C227.1 C228.1 C229.1 C230.1 D1.B6 D1.C11 D1.E10 D2.8 D5.C6 D5.D9 D5.G8 D5.K7 D11.4 D11.6 D11.7 D11.10 D11.11 D11.12 D11.18 D11.19 D11.20 D11.21 L6.2 L17.2 R7.1 R11.1 R21.2 R22.2 R46.1 R50.2 R65.2 R91.2 VD1.2 VG1.4 VG2.4 X5.5 X5.7 | length 4.7
  Top Layer w0.15: v1(49.5,38.5) D5.C6@50,39 ; v1(50.5,41.5) D5.D9@51,42 ; v1(53.5,40.5) D5.G8@54,41 ; v1(56.5,39.5) D5.K7@57,40 ; D1.E10@102.8,76.8 v2@103.2,76.4 ; v1(104.4,75.3) D1.C11@104.4,76 ; v2@104.8,79.6 D1.B6@105.2,80
  other v2: 103.2,76.407 104.807,79.6
VCC_AUX: C139.2 C140.2 C141.2 C142.2 C143.2 D5.AA8 D5.AB14 D5.AB20 D5.E14 D5.G9 D5.G19 L12.1 | length 4.2
  Top Layer w0.15: v1(51.5,47.5) D5.E14@52,47 ; v1(53.5,41.5) D5.G9@54,42 ; v1(53.5,52.5) D5.G19@54,52 ; D5.AB14@69,47 v1(69.5,47.5) ; D5.AB20@69,53 v1(69.5,53.5)
  Top Layer w0.3: D5.AA8@68,41 v1(68.5,40.5)
VCCPGM: C151.2 C152.2 C165.2 C166.2 D5.AA9 D5.AC6 D5.F8 D5.W22 D5.Y7 L13.1 R72.1 R73.1 R74.2 R75.2 R76.2 R77.1 R78.1 R79.1 X6.4 | length 3.5
  Top Layer w0.15: v1(52.5,40.5) D5.F8@53,41 ; D5.W22@66,55 v1(66.5,55.5)
  Top Layer w0.3: D5.Y7@67,40 v1(67.5,39.5) ; D5.AA9@68,42 v1(68.5,41.5) ; D5.AC6@70,39 v1(70.5,38.5)
VREF: C41.1 C42.1 D4.39 R37.2 | length 0.6
  Top Layer w0.1: v2(33.6,55.3) 33.65,55.25 D4.39@33.65,54.75
VREFDDR: C68.2 C69.2 C70.2 C71.2 C167.2 C168.2 D5.AC12 D5.AD15 D7.H1 D7.M8 D8.H1 D8.M8 L8.2 | length 8.4
  Top Layer w0.3: D5.AC12@70,45 v1(70.5,44.5) ; D5.AD15@71,48 v1(71.5,48.5) ; C68.2@89.5,36.5 89.5,38.2 v2(89.6,38.3) D7.H1@89.6,39 ; C71.2@89.5,51.5 89.6,51.6 D8.H1@89.6,54 ; v2(92.4,60) D8.M8@92.8,59.6 ; v2(92.429,44.977) 92.407,45 92.4,45 D7.M8@92.8,44.6 ; v2(92.5,62.5) C70.2@92.5,63 ; v1(70.5,44.5) 70.5,44.6 70.523,44.576 70.523,44.523 v1(70.5,44.5)
pads on no net: D1.A11 D1.B11 D1.C2 D1.C4 D1.C10 D1.D1 D1.D6 D1.D11 D1.E7 D1.E8 D1.F2 D1.F6 D1.H3 D3.7 D3.8 D4.33 D4.34 D4.35 D4.53 D4.54 D4.55 D4.56 D4.58 D4.59 D4.60 D4.61 D5.A3 D5.A4 D5.A5 D5.A7 D5.A8 D5.A9 D5.A11 D5.A12 D5.A13 D5.A14 D5.A16 D5.A17 D5.A18 D5.A19 D5.A21 D5.AA3 D5.AA4 D5.AA6 D5.AA7 D5.AA12 D5.AA18 D5.AA21 D5.AB5 D5.AB6 D5.AB7 D5.AB19 D5.AB22 D5.AC3 D5.AC4 D5.AC25 D5.AD5 D5.AD6 D5.AD7 D5.AD25 D5.AE3 D5.AE4 D5.AE10 D5.AE13 D5.AE25 D5.AE26 D5.B6 D5.B7 D5.B9 D5.B10 D5.B11 D5.B12 D5.B14 D5.B15 D5.B17 D5.B19 D5.B20 D5.B21 D5.B22 D5.B25 D5.B26 D5.C3 D5.C4 D5.C9 D5.C10 D5.C12 D5.C13 D5.C15 D5.C17 D5.C18 D5.C19 D5.C20 D5.C24 D5.C25 D5.D6 D5.D8 D5.D10 D5.D11 D5.D20 D5.D21 D5.D22 D5.D25 D5.D26 D5.E3 D5.E4 D5.E6 D5.E9 D5.E10 D5.E11 D5.E21 D5.E23 D5.F14 D5.F21 D5.F23 D5.G3 D5.G4 D5.G10 D5.G11 D5.G16 D5.G17 D5.G20 D5.G22 D5.G24 D5.G25 D5.H8 D5.H9 D5.H10 D5.H12 D5.H13 D5.H14 D5.H19 D5.H20 D5.H22 D5.H23 D5.H24 D5.H25 D5.J10 D5.J11 D5.J12 D5.J21 D5.J23 D5.K1 D5.K2 D5.K8 D5.K9 D5.K21 D5.L8 D5.L9 D5.L22 D5.L23 D5.L24 D5.M9 D5.M10 D5.M22 D5.M25 D5.M26 D5.N9 D5.N20 D5.P1 D5.P2 D5.P8 D5.P11 D5.P12 D5.P23 D5.R8 D5.R9 D5.R10 D5.R23 D5.R24 D5.R26 D5.T7 D5.T8 D5.T11 D5.T12 D5.T13 D5.T19 D5.T21 D5.T22 D5.U6 D5.U7 D5.U12 D5.U20 D5.U26 D5.V8 D5.V12 D5.V17 D5.V18 D5.V22 D5.W3 D5.W4 D5.Y6 D5.Y8 D5.Y9 D5.Y11 D5.Y15 D5.Y16 D5.Y18 D5.Y19 D5.Y20 D5.Y23 D5.Y24 D5.Y25 D6.2 D6.7 D6.11 D6.17 D6.18 D6.19 D6.20 D6.22 D6.23 D6.26 D6.27 D6.28 D6.29 D6.32 D6.33 D6.38 D6.39 D6.41 D6.42 D7.J1 D7.J9 D7.L1 D7.L9 D7.M7 D8.J1 D8.J9 D8.L1 D8.L9 D8.M7 D9.9 D10.5 D10.8 D11.13 D11.15 D12.10 D13.14 D14.7 D14.8 R3.1 R3.2 R3.3 R3.4 R6.1 R6.2 R6.3 R6.4 R8.1 R8.2 R8.3 R8.4 R9.1 R9.2 R9.3 R9.4 R10.1 R10.2 R10.3 R10.4 R10.5 R10.6 R10.7 R10.8 R13.1 R13.2 R13.3 R13.4 R15.1 R15.2 R15.3 R15.4 R16.1 R16.2 R16.3 R16.4 R17.1 R17.2 R17.3 R17.4 R18.1 R18.2 R18.3 R18.4 R19.1 R19.2 R19.3 R19.4 R20.1 R20.2 R20.3 R20.4 R20.5 R20.6 R20.7 R20.8 R43.1 R52.5 R52.6 R52.7 R52.8 R53.8 R57.5 R57.6 R57.7 R57.8 T1.5 T1.11 T1.12 T1.13 T1.14 T1.15 T1.16 T2.5 T2.11 T2.12 T2.13 T2.14 T2.15 T2.16 X6.6 X6.7 X6.8
copper on no net: | length 93.9
  Top Layer w0.15: v1(49.5,35.5) 50,36 ; v1(49.5,36.5) 50,37 ; v1(49.5,41.5) 50,42 ; v1(49.5,42.5) 50,43 ; v1(49.5,44.5) 50,45 ; v1(49.5,45.5) 50,46 ; v1(49.5,48.5) 50,48 ; v1(49.5,50.5) 50,50 ; v1(49.5,51.5) 50,51 ; v1(49.5,52.5) 50,52 ; v1(49.5,53.5) 50,53 ; v1(49.5,57.5) 50,57 ; v1(50.5,38.5) 51,39 ; v1(50.5,40.5) 51,41 ; v1(50.5,42.5) 51,43 ; v1(50.5,43.5) 51,44 ; v1(50.5,53.5) 51,53 ; v1(50.5,54.5) 51,54 ; v1(50.5,55.5) 51,55 ; v1(51.5,35.5) 52,36 ; v1(51.5,36.5) 52,37 ; v1(51.5,38.5) 52,39 ; v1(51.5,41.5) 52,42 ; v1(51.5,42.5) 52,43 ; v1(51.5,43.5) 52,44 ; v1(51.5,54.5) 52,54 ; v1(51.5,56.5) 52,56 ; v1(52.5,47.5) 53,47 ; v1(52.5,54.5) 53,54 ; v1(52.5,56.5) 53,56 ; v1(53.5,35.5) 54,36 ; v1(53.5,36.5) 54,37 ; v1(53.5,42.5) 54,43 ; v1(53.5,43.5) 54,44 ; v1(53.5,49.5) 54,49 ; v1(53.5,50.5) 54,50 ; v1(53.5,53.5) 54,53 ; v1(53.5,55.5) 54,55 ; v1(53.5,57.5) 54,57 ; v1(54.5,40.5) 55,41 ; v1(54.5,41.5) 55,42 ; v1(54.5,42.5) 55,43 ; v1(54.5,44.5) 55,45 ; v1(54.5,45.5) 55,46 ; v1(54.5,47.5) 55,47 ; v1(54.5,52.5) 55,52 ; v1(54.5,53.5) 55,53 ; v1(54.5,55.5) 55,55 ; v1(54.5,56.5) 55,56 ; v1(54.5,57.5) 55,57 ; v1(55.5,42.5) 56,43 ; v1(55.5,43.5) 56,44 ; v1(55.5,44.5) 56,45 ; v1(55.5,54.5) 56,54 ; v1(55.5,56.5) 56,56 ; v1(56.5,40.5) 57,41 ; v1(56.5,41.5) 57,42 ; v1(56.5,54.5) 57,54 ; 57,34 v1(57.5,33.5) ; 57,35 v1(57.5,34.5) ; v1(57.5,40.5) 58,41 ; v1(57.5,41.5) 58,42 ; v1(57.5,55.5) 58,55 ; v1(57.5,56.5) 58,56 ; v1(57.5,57.5) 58,57 ; v1(58.5,41.5) 59,42 ; v1(58.5,42.5) 59,43 ; v1(58.5,55.5) 59,55 ; 60,42 v1(60.5,41.5) ; 60,53 v1(60.5,53.5) ; 61,34 v1(61.5,33.5) ; 61,35 v1(61.5,34.5) ; 61,41 v1(61.5,40.5) ; 61,44 v1(61.5,43.5) ; 61,45 v1(61.5,44.5) ; 61,56 v1(61.5,56.5) ; 62,41 v1(62.5,40.5) ; 62,42 v1(62.5,41.5) ; 62,43 v1(62.5,42.5) ; 62,56 v1(62.5,56.5) ; 62,57 v1(62.5,57.5) ; 63,40 v1(63.5,39.5) ; 63,41 v1(63.5,40.5) ; 63,44 v1(63.5,43.5) ; 63,45 v1(63.5,44.5) ; 63,46 v1(63.5,45.5) ; 63,52 v1(63.5,52.5) ; 63,54 v1(63.5,54.5) ; 63,55 v1(63.5,55.5) ; 64,39 v1(64.5,38.5) ; 64,40 v1(64.5,39.5) ; 64,45 v1(64.5,44.5) ; 64,53 v1(64.5,53.5) ; 65,41 v1(65.5,40.5) ; 65,45 v1(65.5,44.5) ; 65,50 v1(65.5,50.5) ; 65,51 v1(65.5,51.5) ; 65,55 v1(65.5,55.5) ; 66,36 v1(66.5,35.5) ; 66,37 v1(66.5,36.5) ; 67,39 v1(67.5,38.5) ; 67,41 v1(67.5,40.5) ; 67,42 v1(67.5,41.5) ; 67,44 v1(67.5,43.5) ; 67,48 v1(67.5,48.5) ; 67,49 v1(67.5,49.5) ; 67,51 v1(67.5,51.5) ; 67,52 v1(67.5,52.5) ; 67,53 v1(67.5,53.5) ; 67,56 v1(67.5,56.5) ; 67,57 v1(67.5,57.5) ; 68,36 v1(68.5,35.5) ; 68,37 v1(68.5,36.5) ; 68,39 v1(68.5,38.5) ; 68,40 v1(68.5,39.5) ; 68,45 v1(68.5,44.5) ; 68,51 v1(68.5,51.5) ; 68,54 v1(68.5,54.5) ; 69,38 v1(69.5,37.5) ; 69,39 v1(69.5,38.5) ; 69,40 v1(69.5,39.5) ; 69,52 v1(69.5,52.5) ; 69,55 v1(69.5,55.5) ; 70,36 v1(70.5,35.5) ; 70,37 v1(70.5,36.5) ; 71,38 v1(71.5,37.5) ; 71,39 v1(71.5,38.5) ; 71,40 v1(71.5,39.5) ; v2@99.993,82.8 100.393,82.4 ; v2@101.593,80.4 101.993,80 ; 102.807,78.4 v2@103.207,78 ; 102.807,79.2 v2@103.207,78.8 ; 103.607,80 v2@104.007,80.4 ; 104.407,81.6 v2@104.807,82
  other v1: 104.3,73.1 103.6,73.5 105.1,73.8 103,74.2 103.6,74.2
  other v2: 103.2,78 103.2,78.8 101.6,80.4 104,80.4 104.8,82 100,82.8

## Polygon pours and split planes (outlines as drawn)
0V on GND_top (split plane): 129.498,0.502 0.502,0.502 0.502,99.498 129.498,99.498
0V on GND_bot (split plane): 129.498,0.502 0.502,0.502 0.502,99.498 129.498,99.498

## Keep-outs
Keep-Out Layer:
  lines w0.254: 1,6 6,6 6,1 124,1 124,6 129,6 129,94 124,94 124,99 6,99 6,94 1,94 1,6

## Text inside footprints (layer, text, board x,y; h text height)
X1: Top Overlay "usb_3" at 132,75.75 h1.5 r90